# KiCad board demomatrix.kicad_pcb (continued)
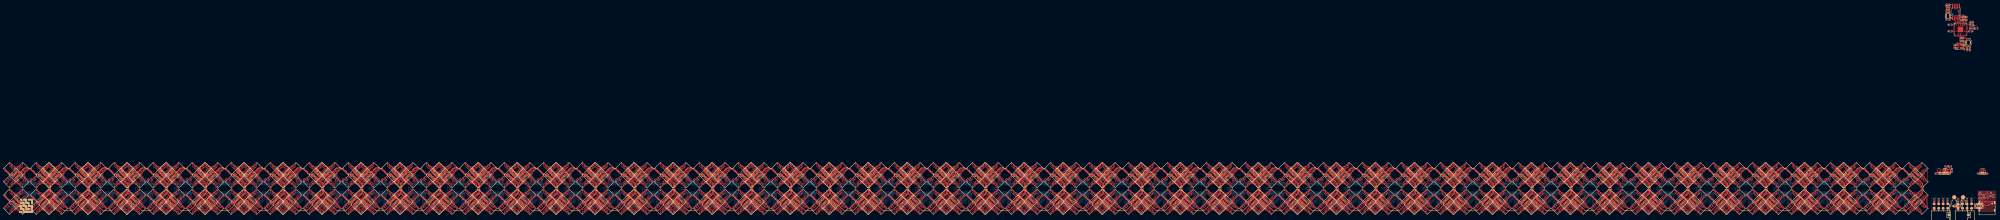
[diagram p0: board, top side]
## Library data of the parts (continued)
R13 = -: Datasheet: https://wmsc.lcsc.com/wmsc/upload/file/pdf/v2/lcsc/2206021130_VO-SCR0402F309R_C3016011.pdf; LCSC: C3016011; Manufacturer: VO; Partnumber: SCR0402F309R; PARAM_max_power: {"type": "Quantity_Set_Discrete", "data": {"intervals": {"type": "Numeric_Interval_Disjoint", "data": {"intervals": [{"type": "Numeric_Interval", "data": {"min": 0.0625, "max": 0.0625}}]}}, "unit": "watt"}}; PARAM_max_voltage: {"type": "Quantity_Set_Discrete", "data": {"intervals": {"type": "Numeric_Interval_Disjoint", "data": {"intervals": [{"type": "Numeric_Interval", "data": {"min": 50.0, "max": 50.0}}]}}, "unit": "volt"}}; PARAM_resistance: {"type": "Quantity_Interval_Disjoint", "data": {"intervals": {"type": "Numeric_Interval_Disjoint", "data": {"intervals": [{"type": "Numeric_Interval", "data": {"min": 305.9100000690669, "max": 312.0899999309331}}]}}, "unit": "ohm"}}; atopile_address: clusters[12].driver.rext_resistor; atopile_subaddresses: [elec/layout/cluster2x2/cluster2x2.kicad_pcb:driver.rext_resistor, elec/src/macroblock-mbi5043/layouts/default/default.kicad_pcb:rext_resistor]
R14 = -: Datasheet: https://wmsc.lcsc.com/wmsc/upload/file/pdf/v2/lcsc/2206021130_VO-SCR0402F309R_C3016011.pdf; LCSC: C3016011; Manufacturer: VO; Partnumber: SCR0402F309R; PARAM_max_power: {"type": "Quantity_Set_Discrete", "data": {"intervals": {"type": "Numeric_Interval_Disjoint", "data": {"intervals": [{"type": "Numeric_Interval", "data": {"min": 0.0625, "max": 0.0625}}]}}, "unit": "watt"}}; PARAM_max_voltage: {"type": "Quantity_Set_Discrete", "data": {"intervals": {"type": "Numeric_Interval_Disjoint", "data": {"intervals": [{"type": "Numeric_Interval", "data": {"min": 50.0, "max": 50.0}}]}}, "unit": "volt"}}; PARAM_resistance: {"type": "Quantity_Interval_Disjoint", "data": {"intervals": {"type": "Numeric_Interval_Disjoint", "data": {"intervals": [{"type": "Numeric_Interval", "data": {"min": 305.9100000690669, "max": 312.0899999309331}}]}}, "unit": "ohm"}}; atopile_address: clusters[13].driver.rext_resistor; atopile_subaddresses: [elec/layout/cluster2x2/cluster2x2.kicad_pcb:driver.rext_resistor, elec/src/macroblock-mbi5043/layouts/default/default.kicad_pcb:rext_resistor]
R15 = -: Datasheet: https://wmsc.lcsc.com/wmsc/upload/file/pdf/v2/lcsc/2206021130_VO-SCR0402F309R_C3016011.pdf; LCSC: C3016011; Manufacturer: VO; Partnumber: SCR0402F309R; PARAM_max_power: {"type": "Quantity_Set_Discrete", "data": {"intervals": {"type": "Numeric_Interval_Disjoint", "data": {"intervals": [{"type": "Numeric_Interval", "data": {"min": 0.0625, "max": 0.0625}}]}}, "unit": "watt"}}; PARAM_max_voltage: {"type": "Quantity_Set_Discrete", "data": {"intervals": {"type": "Numeric_Interval_Disjoint", "data": {"intervals": [{"type": "Numeric_Interval", "data": {"min": 50.0, "max": 50.0}}]}}, "unit": "volt"}}; PARAM_resistance: {"type": "Quantity_Interval_Disjoint", "data": {"intervals": {"type": "Numeric_Interval_Disjoint", "data": {"intervals": [{"type": "Numeric_Interval", "data": {"min": 305.9100000690669, "max": 312.0899999309331}}]}}, "unit": "ohm"}}; atopile_address: clusters[14].driver.rext_resistor; atopile_subaddresses: [elec/layout/cluster2x2/cluster2x2.kicad_pcb:driver.rext_resistor, elec/src/macroblock-mbi5043/layouts/default/default.kicad_pcb:rext_resistor]
R16 = -: Datasheet: https://wmsc.lcsc.com/wmsc/upload/file/pdf/v2/lcsc/2206021130_VO-SCR0402F309R_C3016011.pdf; LCSC: C3016011; Manufacturer: VO; Partnumber: SCR0402F309R; PARAM_max_power: {"type": "Quantity_Set_Discrete", "data": {"intervals": {"type": "Numeric_Interval_Disjoint", "data": {"intervals": [{"type": "Numeric_Interval", "data": {"min": 0.0625, "max": 0.0625}}]}}, "unit": "watt"}}; PARAM_max_voltage: {"type": "Quantity_Set_Discrete", "data": {"intervals": {"type": "Numeric_Interval_Disjoint", "data": {"intervals": [{"type": "Numeric_Interval", "data": {"min": 50.0, "max": 50.0}}]}}, "unit": "volt"}}; PARAM_resistance: {"type": "Quantity_Interval_Disjoint", "data": {"intervals": {"type": "Numeric_Interval_Disjoint", "data": {"intervals": [{"type": "Numeric_Interval", "data": {"min": 305.9100000690669, "max": 312.0899999309331}}]}}, "unit": "ohm"}}; atopile_address: clusters[15].driver.rext_resistor; atopile_subaddresses: [elec/layout/cluster2x2/cluster2x2.kicad_pcb:driver.rext_resistor, elec/src/macroblock-mbi5043/layouts/default/default.kicad_pcb:rext_resistor]
R17 = -: Datasheet: https://wmsc.lcsc.com/wmsc/upload/file/pdf/v2/lcsc/2206021130_VO-SCR0402F309R_C3016011.pdf; LCSC: C3016011; Manufacturer: VO; Partnumber: SCR0402F309R; PARAM_max_power: {"type": "Quantity_Set_Discrete", "data": {"intervals": {"type": "Numeric_Interval_Disjoint", "data": {"intervals": [{"type": "Numeric_Interval", "data": {"min": 0.0625, "max": 0.0625}}]}}, "unit": "watt"}}; PARAM_max_voltage: {"type": "Quantity_Set_Discrete", "data": {"intervals": {"type": "Numeric_Interval_Disjoint", "data": {"intervals": [{"type": "Numeric_Interval", "data": {"min": 50.0, "max": 50.0}}]}}, "unit": "volt"}}; PARAM_resistance: {"type": "Quantity_Interval_Disjoint", "data": {"intervals": {"type": "Numeric_Interval_Disjoint", "data": {"intervals": [{"type": "Numeric_Interval", "data": {"min": 305.9100000690669, "max": 312.0899999309331}}]}}, "unit": "ohm"}}; atopile_address: clusters[16].driver.rext_resistor; atopile_subaddresses: [elec/layout/cluster2x2/cluster2x2.kicad_pcb:driver.rext_resistor, elec/src/macroblock-mbi5043/layouts/default/default.kicad_pcb:rext_resistor]
R18 = -: Datasheet: https://wmsc.lcsc.com/wmsc/upload/file/pdf/v2/lcsc/2206021130_VO-SCR0402F309R_C3016011.pdf; LCSC: C3016011; Manufacturer: VO; Partnumber: SCR0402F309R; PARAM_max_power: {"type": "Quantity_Set_Discrete", "data": {"intervals": {"type": "Numeric_Interval_Disjoint", "data": {"intervals": [{"type": "Numeric_Interval", "data": {"min": 0.0625, "max": 0.0625}}]}}, "unit": "watt"}}; PARAM_max_voltage: {"type": "Quantity_Set_Discrete", "data": {"intervals": {"type": "Numeric_Interval_Disjoint", "data": {"intervals": [{"type": "Numeric_Interval", "data": {"min": 50.0, "max": 50.0}}]}}, "unit": "volt"}}; PARAM_resistance: {"type": "Quantity_Interval_Disjoint", "data": {"intervals": {"type": "Numeric_Interval_Disjoint", "data": {"intervals": [{"type": "Numeric_Interval", "data": {"min": 305.9100000690669, "max": 312.0899999309331}}]}}, "unit": "ohm"}}; atopile_address: clusters[17].driver.rext_resistor; atopile_subaddresses: [elec/layout/cluster2x2/cluster2x2.kicad_pcb:driver.rext_resistor, elec/src/macroblock-mbi5043/layouts/default/default.kicad_pcb:rext_resistor]
R19 = -: Datasheet: https://wmsc.lcsc.com/wmsc/upload/file/pdf/v2/lcsc/2206021130_VO-SCR0402F309R_C3016011.pdf; LCSC: C3016011; Manufacturer: VO; Partnumber: SCR0402F309R; PARAM_max_power: {"type": "Quantity_Set_Discrete", "data": {"intervals": {"type": "Numeric_Interval_Disjoint", "data": {"intervals": [{"type": "Numeric_Interval", "data": {"min": 0.0625, "max": 0.0625}}]}}, "unit": "watt"}}; PARAM_max_voltage: {"type": "Quantity_Set_Discrete", "data": {"intervals": {"type": "Numeric_Interval_Disjoint", "data": {"intervals": [{"type": "Numeric_Interval", "data": {"min": 50.0, "max": 50.0}}]}}, "unit": "volt"}}; PARAM_resistance: {"type": "Quantity_Interval_Disjoint", "data": {"intervals": {"type": "Numeric_Interval_Disjoint", "data": {"intervals": [{"type": "Numeric_Interval", "data": {"min": 305.9100000690669, "max": 312.0899999309331}}]}}, "unit": "ohm"}}; atopile_address: clusters[18].driver.rext_resistor; atopile_subaddresses: [elec/layout/cluster2x2/cluster2x2.kicad_pcb:driver.rext_resistor, elec/src/macroblock-mbi5043/layouts/default/default.kicad_pcb:rext_resistor]
R20 = -: Datasheet: https://wmsc.lcsc.com/wmsc/upload/file/pdf/v2/lcsc/2206021130_VO-SCR0402F309R_C3016011.pdf; LCSC: C3016011; Manufacturer: VO; Partnumber: SCR0402F309R; PARAM_max_power: {"type": "Quantity_Set_Discrete", "data": {"intervals": {"type": "Numeric_Interval_Disjoint", "data": {"intervals": [{"type": "Numeric_Interval", "data": {"min": 0.0625, "max": 0.0625}}]}}, "unit": "watt"}}; PARAM_max_voltage: {"type": "Quantity_Set_Discrete", "data": {"intervals": {"type": "Numeric_Interval_Disjoint", "data": {"intervals": [{"type": "Numeric_Interval", "data": {"min": 50.0, "max": 50.0}}]}}, "unit": "volt"}}; PARAM_resistance: {"type": "Quantity_Interval_Disjoint", "data": {"intervals": {"type": "Numeric_Interval_Disjoint", "data": {"intervals": [{"type": "Numeric_Interval", "data": {"min": 305.9100000690669, "max": 312.0899999309331}}]}}, "unit": "ohm"}}; atopile_address: clusters[19].driver.rext_resistor; atopile_subaddresses: [elec/layout/cluster2x2/cluster2x2.kicad_pcb:driver.rext_resistor, elec/src/macroblock-mbi5043/layouts/default/default.kicad_pcb:rext_resistor]
R21 = -: Datasheet: https://wmsc.lcsc.com/wmsc/upload/file/pdf/v2/lcsc/2206021130_VO-SCR0402F309R_C3016011.pdf; LCSC: C3016011; Manufacturer: VO; Partnumber: SCR0402F309R; PARAM_max_power: {"type": "Quantity_Set_Discrete", "data": {"intervals": {"type": "Numeric_Interval_Disjoint", "data": {"intervals": [{"type": "Numeric_Interval", "data": {"min": 0.0625, "max": 0.0625}}]}}, "unit": "watt"}}; PARAM_max_voltage: {"type": "Quantity_Set_Discrete", "data": {"intervals": {"type": "Numeric_Interval_Disjoint", "data": {"intervals": [{"type": "Numeric_Interval", "data": {"min": 50.0, "max": 50.0}}]}}, "unit": "volt"}}; PARAM_resistance: {"type": "Quantity_Interval_Disjoint", "data": {"intervals": {"type": "Numeric_Interval_Disjoint", "data": {"intervals": [{"type": "Numeric_Interval", "data": {"min": 305.9100000690669, "max": 312.0899999309331}}]}}, "unit": "ohm"}}; atopile_address: clusters[20].driver.rext_resistor; atopile_subaddresses: [elec/layout/cluster2x2/cluster2x2.kicad_pcb:driver.rext_resistor, elec/src/macroblock-mbi5043/layouts/default/default.kicad_pcb:rext_resistor]
R22 = -: Datasheet: https://wmsc.lcsc.com/wmsc/upload/file/pdf/v2/lcsc/2206021130_VO-SCR0402F309R_C3016011.pdf; LCSC: C3016011; Manufacturer: VO; Partnumber: SCR0402F309R; PARAM_max_power: {"type": "Quantity_Set_Discrete", "data": {"intervals": {"type": "Numeric_Interval_Disjoint", "data": {"intervals": [{"type": "Numeric_Interval", "data": {"min": 0.0625, "max": 0.0625}}]}}, "unit": "watt"}}; PARAM_max_voltage: {"type": "Quantity_Set_Discrete", "data": {"intervals": {"type": "Numeric_Interval_Disjoint", "data": {"intervals": [{"type": "Numeric_Interval", "data": {"min": 50.0, "max": 50.0}}]}}, "unit": "volt"}}; PARAM_resistance: {"type": "Quantity_Interval_Disjoint", "data": {"intervals": {"type": "Numeric_Interval_Disjoint", "data": {"intervals": [{"type": "Numeric_Interval", "data": {"min": 305.9100000690669, "max": 312.0899999309331}}]}}, "unit": "ohm"}}; atopile_address: clusters[21].driver.rext_resistor; atopile_subaddresses: [elec/layout/cluster2x2/cluster2x2.kicad_pcb:driver.rext_resistor, elec/src/macroblock-mbi5043/layouts/default/default.kicad_pcb:rext_resistor]
R23 = -: Datasheet: https://wmsc.lcsc.com/wmsc/upload/file/pdf/v2/lcsc/2206021130_VO-SCR0402F309R_C3016011.pdf; LCSC: C3016011; Manufacturer: VO; Partnumber: SCR0402F309R; PARAM_max_power: {"type": "Quantity_Set_Discrete", "data": {"intervals": {"type": "Numeric_Interval_Disjoint", "data": {"intervals": [{"type": "Numeric_Interval", "data": {"min": 0.0625, "max": 0.0625}}]}}, "unit": "watt"}}; PARAM_max_voltage: {"type": "Quantity_Set_Discrete", "data": {"intervals": {"type": "Numeric_Interval_Disjoint", "data": {"intervals": [{"type": "Numeric_Interval", "data": {"min": 50.0, "max": 50.0}}]}}, "unit": "volt"}}; PARAM_resistance: {"type": "Quantity_Interval_Disjoint", "data": {"intervals": {"type": "Numeric_Interval_Disjoint", "data": {"intervals": [{"type": "Numeric_Interval", "data": {"min": 305.9100000690669, "max": 312.0899999309331}}]}}, "unit": "ohm"}}; atopile_address: clusters[22].driver.rext_resistor; atopile_subaddresses: [elec/layout/cluster2x2/cluster2x2.kicad_pcb:driver.rext_resistor, elec/src/macroblock-mbi5043/layouts/default/default.kicad_pcb:rext_resistor]
R24 = -: Datasheet: https://wmsc.lcsc.com/wmsc/upload/file/pdf/v2/lcsc/2206021130_VO-SCR0402F309R_C3016011.pdf; LCSC: C3016011; Manufacturer: VO; Partnumber: SCR0402F309R; PARAM_max_power: {"type": "Quantity_Set_Discrete", "data": {"intervals": {"type": "Numeric_Interval_Disjoint", "data": {"intervals": [{"type": "Numeric_Interval", "data": {"min": 0.0625, "max": 0.0625}}]}}, "unit": "watt"}}; PARAM_max_voltage: {"type": "Quantity_Set_Discrete", "data": {"intervals": {"type": "Numeric_Interval_Disjoint", "data": {"intervals": [{"type": "Numeric_Interval", "data": {"min": 50.0, "max": 50.0}}]}}, "unit": "volt"}}; PARAM_resistance: {"type": "Quantity_Interval_Disjoint", "data": {"intervals": {"type": "Numeric_Interval_Disjoint", "data": {"intervals": [{"type": "Numeric_Interval", "data": {"min": 305.9100000690669, "max": 312.0899999309331}}]}}, "unit": "ohm"}}; atopile_address: clusters[23].driver.rext_resistor; atopile_subaddresses: [elec/layout/cluster2x2/cluster2x2.kicad_pcb:driver.rext_resistor, elec/src/macroblock-mbi5043/layouts/default/default.kicad_pcb:rext_resistor]
R25 = -: Datasheet: https://wmsc.lcsc.com/wmsc/upload/file/pdf/v2/lcsc/2206021130_VO-SCR0402F309R_C3016011.pdf; LCSC: C3016011; Manufacturer: VO; Partnumber: SCR0402F309R; PARAM_max_power: {"type": "Quantity_Set_Discrete", "data": {"intervals": {"type": "Numeric_Interval_Disjoint", "data": {"intervals": [{"type": "Numeric_Interval", "data": {"min": 0.0625, "max": 0.0625}}]}}, "unit": "watt"}}; PARAM_max_voltage: {"type": "Quantity_Set_Discrete", "data": {"intervals": {"type": "Numeric_Interval_Disjoint", "data": {"intervals": [{"type": "Numeric_Interval", "data": {"min": 50.0, "max": 50.0}}]}}, "unit": "volt"}}; PARAM_resistance: {"type": "Quantity_Interval_Disjoint", "data": {"intervals": {"type": "Numeric_Interval_Disjoint", "data": {"intervals": [{"type": "Numeric_Interval", "data": {"min": 305.9100000690669, "max": 312.0899999309331}}]}}, "unit": "ohm"}}; atopile_address: clusters[24].driver.rext_resistor; atopile_subaddresses: [elec/layout/cluster2x2/cluster2x2.kicad_pcb:driver.rext_resistor, elec/src/macroblock-mbi5043/layouts/default/default.kicad_pcb:rext_resistor]
R26 = -: Datasheet: https://wmsc.lcsc.com/wmsc/upload/file/pdf/v2/lcsc/2206021130_VO-SCR0402F309R_C3016011.pdf; LCSC: C3016011; Manufacturer: VO; Partnumber: SCR0402F309R; PARAM_max_power: {"type": "Quantity_Set_Discrete", "data": {"intervals": {"type": "Numeric_Interval_Disjoint", "data": {"intervals": [{"type": "Numeric_Interval", "data": {"min": 0.0625, "max": 0.0625}}]}}, "unit": "watt"}}; PARAM_max_voltage: {"type": "Quantity_Set_Discrete", "data": {"intervals": {"type": "Numeric_Interval_Disjoint", "data": {"intervals": [{"type": "Numeric_Interval", "data": {"min": 50.0, "max": 50.0}}]}}, "unit": "volt"}}; PARAM_resistance: {"type": "Quantity_Interval_Disjoint", "data": {"intervals": {"type": "Numeric_Interval_Disjoint", "data": {"intervals": [{"type": "Numeric_Interval", "data": {"min": 305.9100000690669, "max": 312.0899999309331}}]}}, "unit": "ohm"}}; atopile_address: clusters[25].driver.rext_resistor; atopile_subaddresses: [elec/layout/cluster2x2/cluster2x2.kicad_pcb:driver.rext_resistor, elec/src/macroblock-mbi5043/layouts/default/default.kicad_pcb:rext_resistor]
R27 = -: Datasheet: https://wmsc.lcsc.com/wmsc/upload/file/pdf/v2/lcsc/2206021130_VO-SCR0402F309R_C3016011.pdf; LCSC: C3016011; Manufacturer: VO; Partnumber: SCR0402F309R; PARAM_max_power: {"type": "Quantity_Set_Discrete", "data": {"intervals": {"type": "Numeric_Interval_Disjoint", "data": {"intervals": [{"type": "Numeric_Interval", "data": {"min": 0.0625, "max": 0.0625}}]}}, "unit": "watt"}}; PARAM_max_voltage: {"type": "Quantity_Set_Discrete", "data": {"intervals": {"type": "Numeric_Interval_Disjoint", "data": {"intervals": [{"type": "Numeric_Interval", "data": {"min": 50.0, "max": 50.0}}]}}, "unit": "volt"}}; PARAM_resistance: {"type": "Quantity_Interval_Disjoint", "data": {"intervals": {"type": "Numeric_Interval_Disjoint", "data": {"intervals": [{"type": "Numeric_Interval", "data": {"min": 305.9100000690669, "max": 312.0899999309331}}]}}, "unit": "ohm"}}; atopile_address: clusters[26].driver.rext_resistor; atopile_subaddresses: [elec/layout/cluster2x2/cluster2x2.kicad_pcb:driver.rext_resistor, elec/src/macroblock-mbi5043/layouts/default/default.kicad_pcb:rext_resistor]
R28 = -: Datasheet: https://wmsc.lcsc.com/wmsc/upload/file/pdf/v2/lcsc/2206021130_VO-SCR0402F309R_C3016011.pdf; LCSC: C3016011; Manufacturer: VO; Partnumber: SCR0402F309R; PARAM_max_power: {"type": "Quantity_Set_Discrete", "data": {"intervals": {"type": "Numeric_Interval_Disjoint", "data": {"intervals": [{"type": "Numeric_Interval", "data": {"min": 0.0625, "max": 0.0625}}]}}, "unit": "watt"}}; PARAM_max_voltage: {"type": "Quantity_Set_Discrete", "data": {"intervals": {"type": "Numeric_Interval_Disjoint", "data": {"intervals": [{"type": "Numeric_Interval", "data": {"min": 50.0, "max": 50.0}}]}}, "unit": "volt"}}; PARAM_resistance: {"type": "Quantity_Interval_Disjoint", "data": {"intervals": {"type": "Numeric_Interval_Disjoint", "data": {"intervals": [{"type": "Numeric_Interval", "data": {"min": 305.9100000690669, "max": 312.0899999309331}}]}}, "unit": "ohm"}}; atopile_address: clusters[27].driver.rext_resistor; atopile_subaddresses: [elec/layout/cluster2x2/cluster2x2.kicad_pcb:driver.rext_resistor, elec/src/macroblock-mbi5043/layouts/default/default.kicad_pcb:rext_resistor]
R29 = -: Datasheet: https://wmsc.lcsc.com/wmsc/upload/file/pdf/v2/lcsc/2206021130_VO-SCR0402F309R_C3016011.pdf; LCSC: C3016011; Manufacturer: VO; Partnumber: SCR0402F309R; PARAM_max_power: {"type": "Quantity_Set_Discrete", "data": {"intervals": {"type": "Numeric_Interval_Disjoint", "data": {"intervals": [{"type": "Numeric_Interval", "data": {"min": 0.0625, "max": 0.0625}}]}}, "unit": "watt"}}; PARAM_max_voltage: {"type": "Quantity_Set_Discrete", "data": {"intervals": {"type": "Numeric_Interval_Disjoint", "data": {"intervals": [{"type": "Numeric_Interval", "data": {"min": 50.0, "max": 50.0}}]}}, "unit": "volt"}}; PARAM_resistance: {"type": "Quantity_Interval_Disjoint", "data": {"intervals": {"type": "Numeric_Interval_Disjoint", "data": {"intervals": [{"type": "Numeric_Interval", "data": {"min": 305.9100000690669, "max": 312.0899999309331}}]}}, "unit": "ohm"}}; atopile_address: clusters[28].driver.rext_resistor; atopile_subaddresses: [elec/layout/cluster2x2/cluster2x2.kicad_pcb:driver.rext_resistor, elec/src/macroblock-mbi5043/layouts/default/default.kicad_pcb:rext_resistor]
R30 = -: Datasheet: https://wmsc.lcsc.com/wmsc/upload/file/pdf/v2/lcsc/2206021130_VO-SCR0402F309R_C3016011.pdf; LCSC: C3016011; Manufacturer: VO; Partnumber: SCR0402F309R; PARAM_max_power: {"type": "Quantity_Set_Discrete", "data": {"intervals": {"type": "Numeric_Interval_Disjoint", "data": {"intervals": [{"type": "Numeric_Interval", "data": {"min": 0.0625, "max": 0.0625}}]}}, "unit": "watt"}}; PARAM_max_voltage: {"type": "Quantity_Set_Discrete", "data": {"intervals": {"type": "Numeric_Interval_Disjoint", "data": {"intervals": [{"type": "Numeric_Interval", "data": {"min": 50.0, "max": 50.0}}]}}, "unit": "volt"}}; PARAM_resistance: {"type": "Quantity_Interval_Disjoint", "data": {"intervals": {"type": "Numeric_Interval_Disjoint", "data": {"intervals": [{"type": "Numeric_Interval", "data": {"min": 305.9100000690669, "max": 312.0899999309331}}]}}, "unit": "ohm"}}; atopile_address: clusters[29].driver.rext_resistor; atopile_subaddresses: [elec/layout/cluster2x2/cluster2x2.kicad_pcb:driver.rext_resistor, elec/src/macroblock-mbi5043/layouts/default/default.kicad_pcb:rext_resistor]
R31 = -: Datasheet: https://wmsc.lcsc.com/wmsc/upload/file/pdf/v2/lcsc/2206021130_VO-SCR0402F309R_C3016011.pdf; LCSC: C3016011; Manufacturer: VO; Partnumber: SCR0402F309R; PARAM_max_power: {"type": "Quantity_Set_Discrete", "data": {"intervals": {"type": "Numeric_Interval_Disjoint", "data": {"intervals": [{"type": "Numeric_Interval", "data": {"min": 0.0625, "max": 0.0625}}]}}, "unit": "watt"}}; PARAM_max_voltage: {"type": "Quantity_Set_Discrete", "data": {"intervals": {"type": "Numeric_Interval_Disjoint", "data": {"intervals": [{"type": "Numeric_Interval", "data": {"min": 50.0, "max": 50.0}}]}}, "unit": "volt"}}; PARAM_resistance: {"type": "Quantity_Interval_Disjoint", "data": {"intervals": {"type": "Numeric_Interval_Disjoint", "data": {"intervals": [{"type": "Numeric_Interval", "data": {"min": 305.9100000690669, "max": 312.0899999309331}}]}}, "unit": "ohm"}}; atopile_address: clusters[30].driver.rext_resistor; atopile_subaddresses: [elec/layout/cluster2x2/cluster2x2.kicad_pcb:driver.rext_resistor, elec/src/macroblock-mbi5043/layouts/default/default.kicad_pcb:rext_resistor]
R32 = -: Datasheet: https://wmsc.lcsc.com/wmsc/upload/file/pdf/v2/lcsc/2206021130_VO-SCR0402F309R_C3016011.pdf; LCSC: C3016011; Manufacturer: VO; Partnumber: SCR0402F309R; PARAM_max_power: {"type": "Quantity_Set_Discrete", "data": {"intervals": {"type": "Numeric_Interval_Disjoint", "data": {"intervals": [{"type": "Numeric_Interval", "data": {"min": 0.0625, "max": 0.0625}}]}}, "unit": "watt"}}; PARAM_max_voltage: {"type": "Quantity_Set_Discrete", "data": {"intervals": {"type": "Numeric_Interval_Disjoint", "data": {"intervals": [{"type": "Numeric_Interval", "data": {"min": 50.0, "max": 50.0}}]}}, "unit": "volt"}}; PARAM_resistance: {"type": "Quantity_Interval_Disjoint", "data": {"intervals": {"type": "Numeric_Interval_Disjoint", "data": {"intervals": [{"type": "Numeric_Interval", "data": {"min": 305.9100000690669, "max": 312.0899999309331}}]}}, "unit": "ohm"}}; atopile_address: clusters[31].driver.rext_resistor; atopile_subaddresses: [elec/layout/cluster2x2/cluster2x2.kicad_pcb:driver.rext_resistor, elec/src/macroblock-mbi5043/layouts/default/default.kicad_pcb:rext_resistor]
R33 = -: Datasheet: https://wmsc.lcsc.com/wmsc/upload/file/pdf/v2/lcsc/2206021130_VO-SCR0402F309R_C3016011.pdf; LCSC: C3016011; Manufacturer: VO; Partnumber: SCR0402F309R; PARAM_max_power: {"type": "Quantity_Set_Discrete", "data": {"intervals": {"type": "Numeric_Interval_Disjoint", "data": {"intervals": [{"type": "Numeric_Interval", "data": {"min": 0.0625, "max": 0.0625}}]}}, "unit": "watt"}}; PARAM_max_voltage: {"type": "Quantity_Set_Discrete", "data": {"intervals": {"type": "Numeric_Interval_Disjoint", "data": {"intervals": [{"type": "Numeric_Interval", "data": {"min": 50.0, "max": 50.0}}]}}, "unit": "volt"}}; PARAM_resistance: {"type": "Quantity_Interval_Disjoint", "data": {"intervals": {"type": "Numeric_Interval_Disjoint", "data": {"intervals": [{"type": "Numeric_Interval", "data": {"min": 305.9100000690669, "max": 312.0899999309331}}]}}, "unit": "ohm"}}; atopile_address: clusters[32].driver.rext_resistor; atopile_subaddresses: [elec/layout/cluster2x2/cluster2x2.kicad_pcb:driver.rext_resistor, elec/src/macroblock-mbi5043/layouts/default/default.kicad_pcb:rext_resistor]
R34 = -: Datasheet: https://wmsc.lcsc.com/wmsc/upload/file/pdf/v2/lcsc/2206021130_VO-SCR0402F309R_C3016011.pdf; LCSC: C3016011; Manufacturer: VO; Partnumber: SCR0402F309R; PARAM_max_power: {"type": "Quantity_Set_Discrete", "data": {"intervals": {"type": "Numeric_Interval_Disjoint", "data": {"intervals": [{"type": "Numeric_Interval", "data": {"min": 0.0625, "max": 0.0625}}]}}, "unit": "watt"}}; PARAM_max_voltage: {"type": "Quantity_Set_Discrete", "data": {"intervals": {"type": "Numeric_Interval_Disjoint", "data": {"intervals": [{"type": "Numeric_Interval", "data": {"min": 50.0, "max": 50.0}}]}}, "unit": "volt"}}; PARAM_resistance: {"type": "Quantity_Interval_Disjoint", "data": {"intervals": {"type": "Numeric_Interval_Disjoint", "data": {"intervals": [{"type": "Numeric_Interval", "data": {"min": 305.9100000690669, "max": 312.0899999309331}}]}}, "unit": "ohm"}}; atopile_address: clusters[33].driver.rext_resistor; atopile_subaddresses: [elec/layout/cluster2x2/cluster2x2.kicad_pcb:driver.rext_resistor, elec/src/macroblock-mbi5043/layouts/default/default.kicad_pcb:rext_resistor]
R35 = -: Datasheet: https://wmsc.lcsc.com/wmsc/upload/file/pdf/v2/lcsc/2206021130_VO-SCR0402F309R_C3016011.pdf; LCSC: C3016011; Manufacturer: VO; Partnumber: SCR0402F309R; PARAM_max_power: {"type": "Quantity_Set_Discrete", "data": {"intervals": {"type": "Numeric_Interval_Disjoint", "data": {"intervals": [{"type": "Numeric_Interval", "data": {"min": 0.0625, "max": 0.0625}}]}}, "unit": "watt"}}; PARAM_max_voltage: {"type": "Quantity_Set_Discrete", "data": {"intervals": {"type": "Numeric_Interval_Disjoint", "data": {"intervals": [{"type": "Numeric_Interval", "data": {"min": 50.0, "max": 50.0}}]}}, "unit": "volt"}}; PARAM_resistance: {"type": "Quantity_Interval_Disjoint", "data": {"intervals": {"type": "Numeric_Interval_Disjoint", "data": {"intervals": [{"type": "Numeric_Interval", "data": {"min": 305.9100000690669, "max": 312.0899999309331}}]}}, "unit": "ohm"}}; atopile_address: clusters[34].driver.rext_resistor; atopile_subaddresses: [elec/layout/cluster2x2/cluster2x2.kicad_pcb:driver.rext_resistor, elec/src/macroblock-mbi5043/layouts/default/default.kicad_pcb:rext_resistor]
R36 = -: Datasheet: https://wmsc.lcsc.com/wmsc/upload/file/pdf/v2/lcsc/2206021130_VO-SCR0402F309R_C3016011.pdf; LCSC: C3016011; Manufacturer: VO; Partnumber: SCR0402F309R; PARAM_max_power: {"type": "Quantity_Set_Discrete", "data": {"intervals": {"type": "Numeric_Interval_Disjoint", "data": {"intervals": [{"type": "Numeric_Interval", "data": {"min": 0.0625, "max": 0.0625}}]}}, "unit": "watt"}}; PARAM_max_voltage: {"type": "Quantity_Set_Discrete", "data": {"intervals": {"type": "Numeric_Interval_Disjoint", "data": {"intervals": [{"type": "Numeric_Interval", "data": {"min": 50.0, "max": 50.0}}]}}, "unit": "volt"}}; PARAM_resistance: {"type": "Quantity_Interval_Disjoint", "data": {"intervals": {"type": "Numeric_Interval_Disjoint", "data": {"intervals": [{"type": "Numeric_Interval", "data": {"min": 305.9100000690669, "max": 312.0899999309331}}]}}, "unit": "ohm"}}; atopile_address: clusters[35].driver.rext_resistor; atopile_subaddresses: [elec/layout/cluster2x2/cluster2x2.kicad_pcb:driver.rext_resistor, elec/src/macroblock-mbi5043/layouts/default/default.kicad_pcb:rext_resistor]
R37 = -: Datasheet: https://wmsc.lcsc.com/wmsc/upload/file/pdf/v2/lcsc/2206021130_VO-SCR0402F309R_C3016011.pdf; LCSC: C3016011; Manufacturer: VO; Partnumber: SCR0402F309R; PARAM_max_power: {"type": "Quantity_Set_Discrete", "data": {"intervals": {"type": "Numeric_Interval_Disjoint", "data": {"intervals": [{"type": "Numeric_Interval", "data": {"min": 0.0625, "max": 0.0625}}]}}, "unit": "watt"}}; PARAM_max_voltage: {"type": "Quantity_Set_Discrete", "data": {"intervals": {"type": "Numeric_Interval_Disjoint", "data": {"intervals": [{"type": "Numeric_Interval", "data": {"min": 50.0, "max": 50.0}}]}}, "unit": "volt"}}; PARAM_resistance: {"type": "Quantity_Interval_Disjoint", "data": {"intervals": {"type": "Numeric_Interval_Disjoint", "data": {"intervals": [{"type": "Numeric_Interval", "data": {"min": 305.9100000690669, "max": 312.0899999309331}}]}}, "unit": "ohm"}}; atopile_address: clusters[36].driver.rext_resistor; atopile_subaddresses: [elec/layout/cluster2x2/cluster2x2.kicad_pcb:driver.rext_resistor, elec/src/macroblock-mbi5043/layouts/default/default.kicad_pcb:rext_resistor]
R38 = -: Datasheet: https://wmsc.lcsc.com/wmsc/upload/file/pdf/v2/lcsc/2206021130_VO-SCR0402F309R_C3016011.pdf; LCSC: C3016011; Manufacturer: VO; Partnumber: SCR0402F309R; PARAM_max_power: {"type": "Quantity_Set_Discrete", "data": {"intervals": {"type": "Numeric_Interval_Disjoint", "data": {"intervals": [{"type": "Numeric_Interval", "data": {"min": 0.0625, "max": 0.0625}}]}}, "unit": "watt"}}; PARAM_max_voltage: {"type": "Quantity_Set_Discrete", "data": {"intervals": {"type": "Numeric_Interval_Disjoint", "data": {"intervals": [{"type": "Numeric_Interval", "data": {"min": 50.0, "max": 50.0}}]}}, "unit": "volt"}}; PARAM_resistance: {"type": "Quantity_Interval_Disjoint", "data": {"intervals": {"type": "Numeric_Interval_Disjoint", "data": {"intervals": [{"type": "Numeric_Interval", "data": {"min": 305.9100000690669, "max": 312.0899999309331}}]}}, "unit": "ohm"}}; atopile_address: clusters[37].driver.rext_resistor; atopile_subaddresses: [elec/layout/cluster2x2/cluster2x2.kicad_pcb:driver.rext_resistor, elec/src/macroblock-mbi5043/layouts/default/default.kicad_pcb:rext_resistor]
R39 = -: Datasheet: https://wmsc.lcsc.com/wmsc/upload/file/pdf/v2/lcsc/2206021130_VO-SCR0402F309R_C3016011.pdf; LCSC: C3016011; Manufacturer: VO; Partnumber: SCR0402F309R; PARAM_max_power: {"type": "Quantity_Set_Discrete", "data": {"intervals": {"type": "Numeric_Interval_Disjoint", "data": {"intervals": [{"type": "Numeric_Interval", "data": {"min": 0.0625, "max": 0.0625}}]}}, "unit": "watt"}}; PARAM_max_voltage: {"type": "Quantity_Set_Discrete", "data": {"intervals": {"type": "Numeric_Interval_Disjoint", "data": {"intervals": [{"type": "Numeric_Interval", "data": {"min": 50.0, "max": 50.0}}]}}, "unit": "volt"}}; PARAM_resistance: {"type": "Quantity_Interval_Disjoint", "data": {"intervals": {"type": "Numeric_Interval_Disjoint", "data": {"intervals": [{"type": "Numeric_Interval", "data": {"min": 305.9100000690669, "max": 312.0899999309331}}]}}, "unit": "ohm"}}; atopile_address: clusters[38].driver.rext_resistor; atopile_subaddresses: [elec/layout/cluster2x2/cluster2x2.kicad_pcb:driver.rext_resistor, elec/src/macroblock-mbi5043/layouts/default/default.kicad_pcb:rext_resistor]
R40 = -: Datasheet: https://wmsc.lcsc.com/wmsc/upload/file/pdf/v2/lcsc/2206021130_VO-SCR0402F309R_C3016011.pdf; LCSC: C3016011; Manufacturer: VO; Partnumber: SCR0402F309R; PARAM_max_power: {"type": "Quantity_Set_Discrete", "data": {"intervals": {"type": "Numeric_Interval_Disjoint", "data": {"intervals": [{"type": "Numeric_Interval", "data": {"min": 0.0625, "max": 0.0625}}]}}, "unit": "watt"}}; PARAM_max_voltage: {"type": "Quantity_Set_Discrete", "data": {"intervals": {"type": "Numeric_Interval_Disjoint", "data": {"intervals": [{"type": "Numeric_Interval", "data": {"min": 50.0, "max": 50.0}}]}}, "unit": "volt"}}; PARAM_resistance: {"type": "Quantity_Interval_Disjoint", "data": {"intervals": {"type": "Numeric_Interval_Disjoint", "data": {"intervals": [{"type": "Numeric_Interval", "data": {"min": 305.9100000690669, "max": 312.0899999309331}}]}}, "unit": "ohm"}}; atopile_address: clusters[39].driver.rext_resistor; atopile_subaddresses: [elec/layout/cluster2x2/cluster2x2.kicad_pcb:driver.rext_resistor, elec/src/macroblock-mbi5043/layouts/default/default.kicad_pcb:rext_resistor]
R41 = -: Datasheet: https://wmsc.lcsc.com/wmsc/upload/file/pdf/v2/lcsc/2206021130_VO-SCR0402F309R_C3016011.pdf; LCSC: C3016011; Manufacturer: VO; Partnumber: SCR0402F309R; PARAM_max_power: {"type": "Quantity_Set_Discrete", "data": {"intervals": {"type": "Numeric_Interval_Disjoint", "data": {"intervals": [{"type": "Numeric_Interval", "data": {"min": 0.0625, "max": 0.0625}}]}}, "unit": "watt"}}; PARAM_max_voltage: {"type": "Quantity_Set_Discrete", "data": {"intervals": {"type": "Numeric_Interval_Disjoint", "data": {"intervals": [{"type": "Numeric_Interval", "data": {"min": 50.0, "max": 50.0}}]}}, "unit": "volt"}}; PARAM_resistance: {"type": "Quantity_Interval_Disjoint", "data": {"intervals": {"type": "Numeric_Interval_Disjoint", "data": {"intervals": [{"type": "Numeric_Interval", "data": {"min": 305.9100000690669, "max": 312.0899999309331}}]}}, "unit": "ohm"}}; atopile_address: clusters[40].driver.rext_resistor; atopile_subaddresses: [elec/layout/cluster2x2/cluster2x2.kicad_pcb:driver.rext_resistor, elec/src/macroblock-mbi5043/layouts/default/default.kicad_pcb:rext_resistor]
R42 = -: Datasheet: https://wmsc.lcsc.com/wmsc/upload/file/pdf/v2/lcsc/2206021130_VO-SCR0402F309R_C3016011.pdf; LCSC: C3016011; Manufacturer: VO; Partnumber: SCR0402F309R; PARAM_max_power: {"type": "Quantity_Set_Discrete", "data": {"intervals": {"type": "Numeric_Interval_Disjoint", "data": {"intervals": [{"type": "Numeric_Interval", "data": {"min": 0.0625, "max": 0.0625}}]}}, "unit": "watt"}}; PARAM_max_voltage: {"type": "Quantity_Set_Discrete", "data": {"intervals": {"type": "Numeric_Interval_Disjoint", "data": {"intervals": [{"type": "Numeric_Interval", "data": {"min": 50.0, "max": 50.0}}]}}, "unit": "volt"}}; PARAM_resistance: {"type": "Quantity_Interval_Disjoint", "data": {"intervals": {"type": "Numeric_Interval_Disjoint", "data": {"intervals": [{"type": "Numeric_Interval", "data": {"min": 305.9100000690669, "max": 312.0899999309331}}]}}, "unit": "ohm"}}; atopile_address: clusters[41].driver.rext_resistor; atopile_subaddresses: [elec/layout/cluster2x2/cluster2x2.kicad_pcb:driver.rext_resistor, elec/src/macroblock-mbi5043/layouts/default/default.kicad_pcb:rext_resistor]
R43 = -: Datasheet: https://wmsc.lcsc.com/wmsc/upload/file/pdf/v2/lcsc/2206021130_VO-SCR0402F309R_C3016011.pdf; LCSC: C3016011; Manufacturer: VO; Partnumber: SCR0402F309R; PARAM_max_power: {"type": "Quantity_Set_Discrete", "data": {"intervals": {"type": "Numeric_Interval_Disjoint", "data": {"intervals": [{"type": "Numeric_Interval", "data": {"min": 0.0625, "max": 0.0625}}]}}, "unit": "watt"}}; PARAM_max_voltage: {"type": "Quantity_Set_Discrete", "data": {"intervals": {"type": "Numeric_Interval_Disjoint", "data": {"intervals": [{"type": "Numeric_Interval", "data": {"min": 50.0, "max": 50.0}}]}}, "unit": "volt"}}; PARAM_resistance: {"type": "Quantity_Interval_Disjoint", "data": {"intervals": {"type": "Numeric_Interval_Disjoint", "data": {"intervals": [{"type": "Numeric_Interval", "data": {"min": 305.9100000690669, "max": 312.0899999309331}}]}}, "unit": "ohm"}}; atopile_address: clusters[42].driver.rext_resistor; atopile_subaddresses: [elec/layout/cluster2x2/cluster2x2.kicad_pcb:driver.rext_resistor, elec/src/macroblock-mbi5043/layouts/default/default.kicad_pcb:rext_resistor]
R44 = -: Datasheet: https://wmsc.lcsc.com/wmsc/upload/file/pdf/v2/lcsc/2206021130_VO-SCR0402F309R_C3016011.pdf; LCSC: C3016011; Manufacturer: VO; Partnumber: SCR0402F309R; PARAM_max_power: {"type": "Quantity_Set_Discrete", "data": {"intervals": {"type": "Numeric_Interval_Disjoint", "data": {"intervals": [{"type": "Numeric_Interval", "data": {"min": 0.0625, "max": 0.0625}}]}}, "unit": "watt"}}; PARAM_max_voltage: {"type": "Quantity_Set_Discrete", "data": {"intervals": {"type": "Numeric_Interval_Disjoint", "data": {"intervals": [{"type": "Numeric_Interval", "data": {"min": 50.0, "max": 50.0}}]}}, "unit": "volt"}}; PARAM_resistance: {"type": "Quantity_Interval_Disjoint", "data": {"intervals": {"type": "Numeric_Interval_Disjoint", "data": {"intervals": [{"type": "Numeric_Interval", "data": {"min": 305.9100000690669, "max": 312.0899999309331}}]}}, "unit": "ohm"}}; atopile_address: clusters[43].driver.rext_resistor; atopile_subaddresses: [elec/layout/cluster2x2/cluster2x2.kicad_pcb:driver.rext_resistor, elec/src/macroblock-mbi5043/layouts/default/default.kicad_pcb:rext_resistor]
R45 = -: Datasheet: https://wmsc.lcsc.com/wmsc/upload/file/pdf/v2/lcsc/2206021130_VO-SCR0402F309R_C3016011.pdf; LCSC: C3016011; Manufacturer: VO; Partnumber: SCR0402F309R; PARAM_max_power: {"type": "Quantity_Set_Discrete", "data": {"intervals": {"type": "Numeric_Interval_Disjoint", "data": {"intervals": [{"type": "Numeric_Interval", "data": {"min": 0.0625, "max": 0.0625}}]}}, "unit": "watt"}}; PARAM_max_voltage: {"type": "Quantity_Set_Discrete", "data": {"intervals": {"type": "Numeric_Interval_Disjoint", "data": {"intervals": [{"type": "Numeric_Interval", "data": {"min": 50.0, "max": 50.0}}]}}, "unit": "volt"}}; PARAM_resistance: {"type": "Quantity_Interval_Disjoint", "data": {"intervals": {"type": "Numeric_Interval_Disjoint", "data": {"intervals": [{"type": "Numeric_Interval", "data": {"min": 305.9100000690669, "max": 312.0899999309331}}]}}, "unit": "ohm"}}; atopile_address: clusters[44].driver.rext_resistor; atopile_subaddresses: [elec/layout/cluster2x2/cluster2x2.kicad_pcb:driver.rext_resistor, elec/src/macroblock-mbi5043/layouts/default/default.kicad_pcb:rext_resistor]
R46 = -: Datasheet: https://wmsc.lcsc.com/wmsc/upload/file/pdf/v2/lcsc/2206021130_VO-SCR0402F309R_C3016011.pdf; LCSC: C3016011; Manufacturer: VO; Partnumber: SCR0402F309R; PARAM_max_power: {"type": "Quantity_Set_Discrete", "data": {"intervals": {"type": "Numeric_Interval_Disjoint", "data": {"intervals": [{"type": "Numeric_Interval", "data": {"min": 0.0625, "max": 0.0625}}]}}, "unit": "watt"}}; PARAM_max_voltage: {"type": "Quantity_Set_Discrete", "data": {"intervals": {"type": "Numeric_Interval_Disjoint", "data": {"intervals": [{"type": "Numeric_Interval", "data": {"min": 50.0, "max": 50.0}}]}}, "unit": "volt"}}; PARAM_resistance: {"type": "Quantity_Interval_Disjoint", "data": {"intervals": {"type": "Numeric_Interval_Disjoint", "data": {"intervals": [{"type": "Numeric_Interval", "data": {"min": 305.9100000690669, "max": 312.0899999309331}}]}}, "unit": "ohm"}}; atopile_address: clusters[45].driver.rext_resistor; atopile_subaddresses: [elec/layout/cluster2x2/cluster2x2.kicad_pcb:driver.rext_resistor, elec/src/macroblock-mbi5043/layouts/default/default.kicad_pcb:rext_resistor]
R47 = -: Datasheet: https://wmsc.lcsc.com/wmsc/upload/file/pdf/v2/lcsc/2206021130_VO-SCR0402F309R_C3016011.pdf; LCSC: C3016011; Manufacturer: VO; Partnumber: SCR0402F309R; PARAM_max_power: {"type": "Quantity_Set_Discrete", "data": {"intervals": {"type": "Numeric_Interval_Disjoint", "data": {"intervals": [{"type": "Numeric_Interval", "data": {"min": 0.0625, "max": 0.0625}}]}}, "unit": "watt"}}; PARAM_max_voltage: {"type": "Quantity_Set_Discrete", "data": {"intervals": {"type": "Numeric_Interval_Disjoint", "data": {"intervals": [{"type": "Numeric_Interval", "data": {"min": 50.0, "max": 50.0}}]}}, "unit": "volt"}}; PARAM_resistance: {"type": "Quantity_Interval_Disjoint", "data": {"intervals": {"type": "Numeric_Interval_Disjoint", "data": {"intervals": [{"type": "Numeric_Interval", "data": {"min": 305.9100000690669, "max": 312.0899999309331}}]}}, "unit": "ohm"}}; atopile_address: clusters[46].driver.rext_resistor; atopile_subaddresses: [elec/layout/cluster2x2/cluster2x2.kicad_pcb:driver.rext_resistor, elec/src/macroblock-mbi5043/layouts/default/default.kicad_pcb:rext_resistor]
R48 = -: Datasheet: https://wmsc.lcsc.com/wmsc/upload/file/pdf/v2/lcsc/2206021130_VO-SCR0402F309R_C3016011.pdf; LCSC: C3016011; Manufacturer: VO; Partnumber: SCR0402F309R; PARAM_max_power: {"type": "Quantity_Set_Discrete", "data": {"intervals": {"type": "Numeric_Interval_Disjoint", "data": {"intervals": [{"type": "Numeric_Interval", "data": {"min": 0.0625, "max": 0.0625}}]}}, "unit": "watt"}}; PARAM_max_voltage: {"type": "Quantity_Set_Discrete", "data": {"intervals": {"type": "Numeric_Interval_Disjoint", "data": {"intervals": [{"type": "Numeric_Interval", "data": {"min": 50.0, "max": 50.0}}]}}, "unit": "volt"}}; PARAM_resistance: {"type": "Quantity_Interval_Disjoint", "data": {"intervals": {"type": "Numeric_Interval_Disjoint", "data": {"intervals": [{"type": "Numeric_Interval", "data": {"min": 305.9100000690669, "max": 312.0899999309331}}]}}, "unit": "ohm"}}; atopile_address: clusters[47].driver.rext_resistor; atopile_subaddresses: [elec/layout/cluster2x2/cluster2x2.kicad_pcb:driver.rext_resistor, elec/src/macroblock-mbi5043/layouts/default/default.kicad_pcb:rext_resistor]
R49 = -: Datasheet: https://wmsc.lcsc.com/wmsc/upload/file/pdf/v2/lcsc/2206021130_VO-SCR0402F309R_C3016011.pdf; LCSC: C3016011; Manufacturer: VO; Partnumber: SCR0402F309R; PARAM_max_power: {"type": "Quantity_Set_Discrete", "data": {"intervals": {"type": "Numeric_Interval_Disjoint", "data": {"intervals": [{"type": "Numeric_Interval", "data": {"min": 0.0625, "max": 0.0625}}]}}, "unit": "watt"}}; PARAM_max_voltage: {"type": "Quantity_Set_Discrete", "data": {"intervals": {"type": "Numeric_Interval_Disjoint", "data": {"intervals": [{"type": "Numeric_Interval", "data": {"min": 50.0, "max": 50.0}}]}}, "unit": "volt"}}; PARAM_resistance: {"type": "Quantity_Interval_Disjoint", "data": {"intervals": {"type": "Numeric_Interval_Disjoint", "data": {"intervals": [{"type": "Numeric_Interval", "data": {"min": 305.9100000690669, "max": 312.0899999309331}}]}}, "unit": "ohm"}}; atopile_address: clusters[48].driver.rext_resistor; atopile_subaddresses: [elec/layout/cluster2x2/cluster2x2.kicad_pcb:driver.rext_resistor, elec/src/macroblock-mbi5043/layouts/default/default.kicad_pcb:rext_resistor]
R50 = -: Datasheet: https://www.lcsc.com/datasheet/lcsc_datasheet_2206010216_UNI-ROYAL-Uniroyal-Elec-0402WGF1001TCE_C11702.pdf; LCSC: C11702; Manufacturer: UNI-ROYAL(Uniroyal Elec); Partnumber: 0402WGF1001TCE; PARAM_max_power: {"type": "Quantity_Set_Discrete", "data": {"intervals": {"type": "Numeric_Interval_Disjoint", "data": {"intervals": [{"type": "Numeric_Interval", "data": {"min": 0.0625, "max": 0.0625}}]}}, "unit": "watt"}}; PARAM_max_voltage: {"type": "Quantity_Set_Discrete", "data": {"intervals": {"type": "Numeric_Interval_Disjoint", "data": {"intervals": [{"type": "Numeric_Interval", "data": {"min": 50.0, "max": 50.0}}]}}, "unit": "volt"}}; PARAM_resistance: {"type": "Quantity_Interval_Disjoint", "data": {"intervals": {"type": "Numeric_Interval_Disjoint", "data": {"intervals": [{"type": "Numeric_Interval", "data": {"min": 990.0000002235174, "max": 1009.9999997764826}}]}}, "unit": "ohm"}}; atopile_address: debug_header.headers[0].protection_resistors[0]; atopile_subaddresses: [.ato/modules/atopile/saleae-header/layouts/rightangle-2/rightangle-2.kicad_pcb:headers[0].protection_resistors[0], .ato/modules/atopile/saleae-header/layouts/rightangle/rightangle.kicad_pcb:protection_resistors[0]]
R51 = -: Datasheet: https://www.lcsc.com/datasheet/lcsc_datasheet_2206010216_UNI-ROYAL-Uniroyal-Elec-0402WGF1001TCE_C11702.pdf; LCSC: C11702; Manufacturer: UNI-ROYAL(Uniroyal Elec); Partnumber: 0402WGF1001TCE; PARAM_max_power: {"type": "Quantity_Set_Discrete", "data": {"intervals": {"type": "Numeric_Interval_Disjoint", "data": {"intervals": [{"type": "Numeric_Interval", "data": {"min": 0.0625, "max": 0.0625}}]}}, "unit": "watt"}}; PARAM_max_voltage: {"type": "Quantity_Set_Discrete", "data": {"intervals": {"type": "Numeric_Interval_Disjoint", "data": {"intervals": [{"type": "Numeric_Interval", "data": {"min": 50.0, "max": 50.0}}]}}, "unit": "volt"}}; PARAM_resistance: {"type": "Quantity_Interval_Disjoint", "data": {"intervals": {"type": "Numeric_Interval_Disjoint", "data": {"intervals": [{"type": "Numeric_Interval", "data": {"min": 990.0000002235174, "max": 1009.9999997764826}}]}}, "unit": "ohm"}}; atopile_address: debug_header.headers[0].protection_resistors[1]; atopile_subaddresses: [.ato/modules/atopile/saleae-header/layouts/rightangle-2/rightangle-2.kicad_pcb:headers[0].protection_resistors[1], .ato/modules/atopile/saleae-header/layouts/rightangle/rightangle.kicad_pcb:protection_resistors[1]]
R52 = -: Datasheet: https://www.lcsc.com/datasheet/lcsc_datasheet_2206010216_UNI-ROYAL-Uniroyal-Elec-0402WGF1001TCE_C11702.pdf; LCSC: C11702; Manufacturer: UNI-ROYAL(Uniroyal Elec); Partnumber: 0402WGF1001TCE; PARAM_max_power: {"type": "Quantity_Set_Discrete", "data": {"intervals": {"type": "Numeric_Interval_Disjoint", "data": {"intervals": [{"type": "Numeric_Interval", "data": {"min": 0.0625, "max": 0.0625}}]}}, "unit": "watt"}}; PARAM_max_voltage: {"type": "Quantity_Set_Discrete", "data": {"intervals": {"type": "Numeric_Interval_Disjoint", "data": {"intervals": [{"type": "Numeric_Interval", "data": {"min": 50.0, "max": 50.0}}]}}, "unit": "volt"}}; PARAM_resistance: {"type": "Quantity_Interval_Disjoint", "data": {"intervals": {"type": "Numeric_Interval_Disjoint", "data": {"intervals": [{"type": "Numeric_Interval", "data": {"min": 990.0000002235174, "max": 1009.9999997764826}}]}}, "unit": "ohm"}}; atopile_address: debug_header.headers[0].protection_resistors[2]; atopile_subaddresses: [.ato/modules/atopile/saleae-header/layouts/rightangle-2/rightangle-2.kicad_pcb:headers[0].protection_resistors[2], .ato/modules/atopile/saleae-header/layouts/rightangle/rightangle.kicad_pcb:protection_resistors[2]]
R53 = -: Datasheet: https://www.lcsc.com/datasheet/lcsc_datasheet_2206010216_UNI-ROYAL-Uniroyal-Elec-0402WGF1001TCE_C11702.pdf; LCSC: C11702; Manufacturer: UNI-ROYAL(Uniroyal Elec); Partnumber: 0402WGF1001TCE; PARAM_max_power: {"type": "Quantity_Set_Discrete", "data": {"intervals": {"type": "Numeric_Interval_Disjoint", "data": {"intervals": [{"type": "Numeric_Interval", "data": {"min": 0.0625, "max": 0.0625}}]}}, "unit": "watt"}}; PARAM_max_voltage: {"type": "Quantity_Set_Discrete", "data": {"intervals": {"type": "Numeric_Interval_Disjoint", "data": {"intervals": [{"type": "Numeric_Interval", "data": {"min": 50.0, "max": 50.0}}]}}, "unit": "volt"}}; PARAM_resistance: {"type": "Quantity_Interval_Disjoint", "data": {"intervals": {"type": "Numeric_Interval_Disjoint", "data": {"intervals": [{"type": "Numeric_Interval", "data": {"min": 990.0000002235174, "max": 1009.9999997764826}}]}}, "unit": "ohm"}}; atopile_address: debug_header.headers[0].protection_resistors[3]; atopile_subaddresses: [.ato/modules/atopile/saleae-header/layouts/rightangle-2/rightangle-2.kicad_pcb:headers[0].protection_resistors[3], .ato/modules/atopile/saleae-header/layouts/rightangle/rightangle.kicad_pcb:protection_resistors[3]]
R54 = -: Datasheet: https://www.lcsc.com/datasheet/lcsc_datasheet_2206010216_UNI-ROYAL-Uniroyal-Elec-0402WGF1001TCE_C11702.pdf; LCSC: C11702; Manufacturer: UNI-ROYAL(Uniroyal Elec); Partnumber: 0402WGF1001TCE; PARAM_max_power: {"type": "Quantity_Set_Discrete", "data": {"intervals": {"type": "Numeric_Interval_Disjoint", "data": {"intervals": [{"type": "Numeric_Interval", "data": {"min": 0.0625, "max": 0.0625}}]}}, "unit": "watt"}}; PARAM_max_voltage: {"type": "Quantity_Set_Discrete", "data": {"intervals": {"type": "Numeric_Interval_Disjoint", "data": {"intervals": [{"type": "Numeric_Interval", "data": {"min": 50.0, "max": 50.0}}]}}, "unit": "volt"}}; PARAM_resistance: {"type": "Quantity_Interval_Disjoint", "data": {"intervals": {"type": "Numeric_Interval_Disjoint", "data": {"intervals": [{"type": "Numeric_Interval", "data": {"min": 990.0000002235174, "max": 1009.9999997764826}}]}}, "unit": "ohm"}}; atopile_address: debug_header.headers[1].protection_resistors[0]; atopile_subaddresses: [.ato/modules/atopile/saleae-header/layouts/rightangle-2/rightangle-2.kicad_pcb:headers[1].protection_resistors[0], .ato/modules/atopile/saleae-header/layouts/rightangle/rightangle.kicad_pcb:protection_resistors[0]]
R55 = -: Datasheet: https://www.lcsc.com/datasheet/lcsc_datasheet_2206010216_UNI-ROYAL-Uniroyal-Elec-0402WGF1001TCE_C11702.pdf; LCSC: C11702; Manufacturer: UNI-ROYAL(Uniroyal Elec); Partnumber: 0402WGF1001TCE; PARAM_max_power: {"type": "Quantity_Set_Discrete", "data": {"intervals": {"type": "Numeric_Interval_Disjoint", "data": {"intervals": [{"type": "Numeric_Interval", "data": {"min": 0.0625, "max": 0.0625}}]}}, "unit": "watt"}}; PARAM_max_voltage: {"type": "Quantity_Set_Discrete", "data": {"intervals": {"type": "Numeric_Interval_Disjoint", "data": {"intervals": [{"type": "Numeric_Interval", "data": {"min": 50.0, "max": 50.0}}]}}, "unit": "volt"}}; PARAM_resistance: {"type": "Quantity_Interval_Disjoint", "data": {"intervals": {"type": "Numeric_Interval_Disjoint", "data": {"intervals": [{"type": "Numeric_Interval", "data": {"min": 990.0000002235174, "max": 1009.9999997764826}}]}}, "unit": "ohm"}}; atopile_address: debug_header.headers[1].protection_resistors[1]; atopile_subaddresses: [.ato/modules/atopile/saleae-header/layouts/rightangle-2/rightangle-2.kicad_pcb:headers[1].protection_resistors[1], .ato/modules/atopile/saleae-header/layouts/rightangle/rightangle.kicad_pcb:protection_resistors[1]]
R56 = -: Datasheet: https://www.lcsc.com/datasheet/lcsc_datasheet_2206010216_UNI-ROYAL-Uniroyal-Elec-0402WGF1001TCE_C11702.pdf; LCSC: C11702; Manufacturer: UNI-ROYAL(Uniroyal Elec); Partnumber: 0402WGF1001TCE; PARAM_max_power: {"type": "Quantity_Set_Discrete", "data": {"intervals": {"type": "Numeric_Interval_Disjoint", "data": {"intervals": [{"type": "Numeric_Interval", "data": {"min": 0.0625, "max": 0.0625}}]}}, "unit": "watt"}}; PARAM_max_voltage: {"type": "Quantity_Set_Discrete", "data": {"intervals": {"type": "Numeric_Interval_Disjoint", "data": {"intervals": [{"type": "Numeric_Interval", "data": {"min": 50.0, "max": 50.0}}]}}, "unit": "volt"}}; PARAM_resistance: {"type": "Quantity_Interval_Disjoint", "data": {"intervals": {"type": "Numeric_Interval_Disjoint", "data": {"intervals": [{"type": "Numeric_Interval", "data": {"min": 990.0000002235174, "max": 1009.9999997764826}}]}}, "unit": "ohm"}}; atopile_address: debug_header.headers[1].protection_resistors[2]; atopile_subaddresses: [.ato/modules/atopile/saleae-header/layouts/rightangle-2/rightangle-2.kicad_pcb:headers[1].protection_resistors[2], .ato/modules/atopile/saleae-header/layouts/rightangle/rightangle.kicad_pcb:protection_resistors[2]]
